# Altium PCB ATM1099C-0627-ssy-5.PcbDoc (part 2 of 4)
Units mm, origin at the board's own origin, x right, y up, seen from the top; angles counter-clockwise.
Board outline 134 x 90 mm, 4 copper layers (TOP, GND, POWER, BOTTOM), stack 1.562 mm thick; 290 components, 303 nets, 1209 pads, 571 vias.
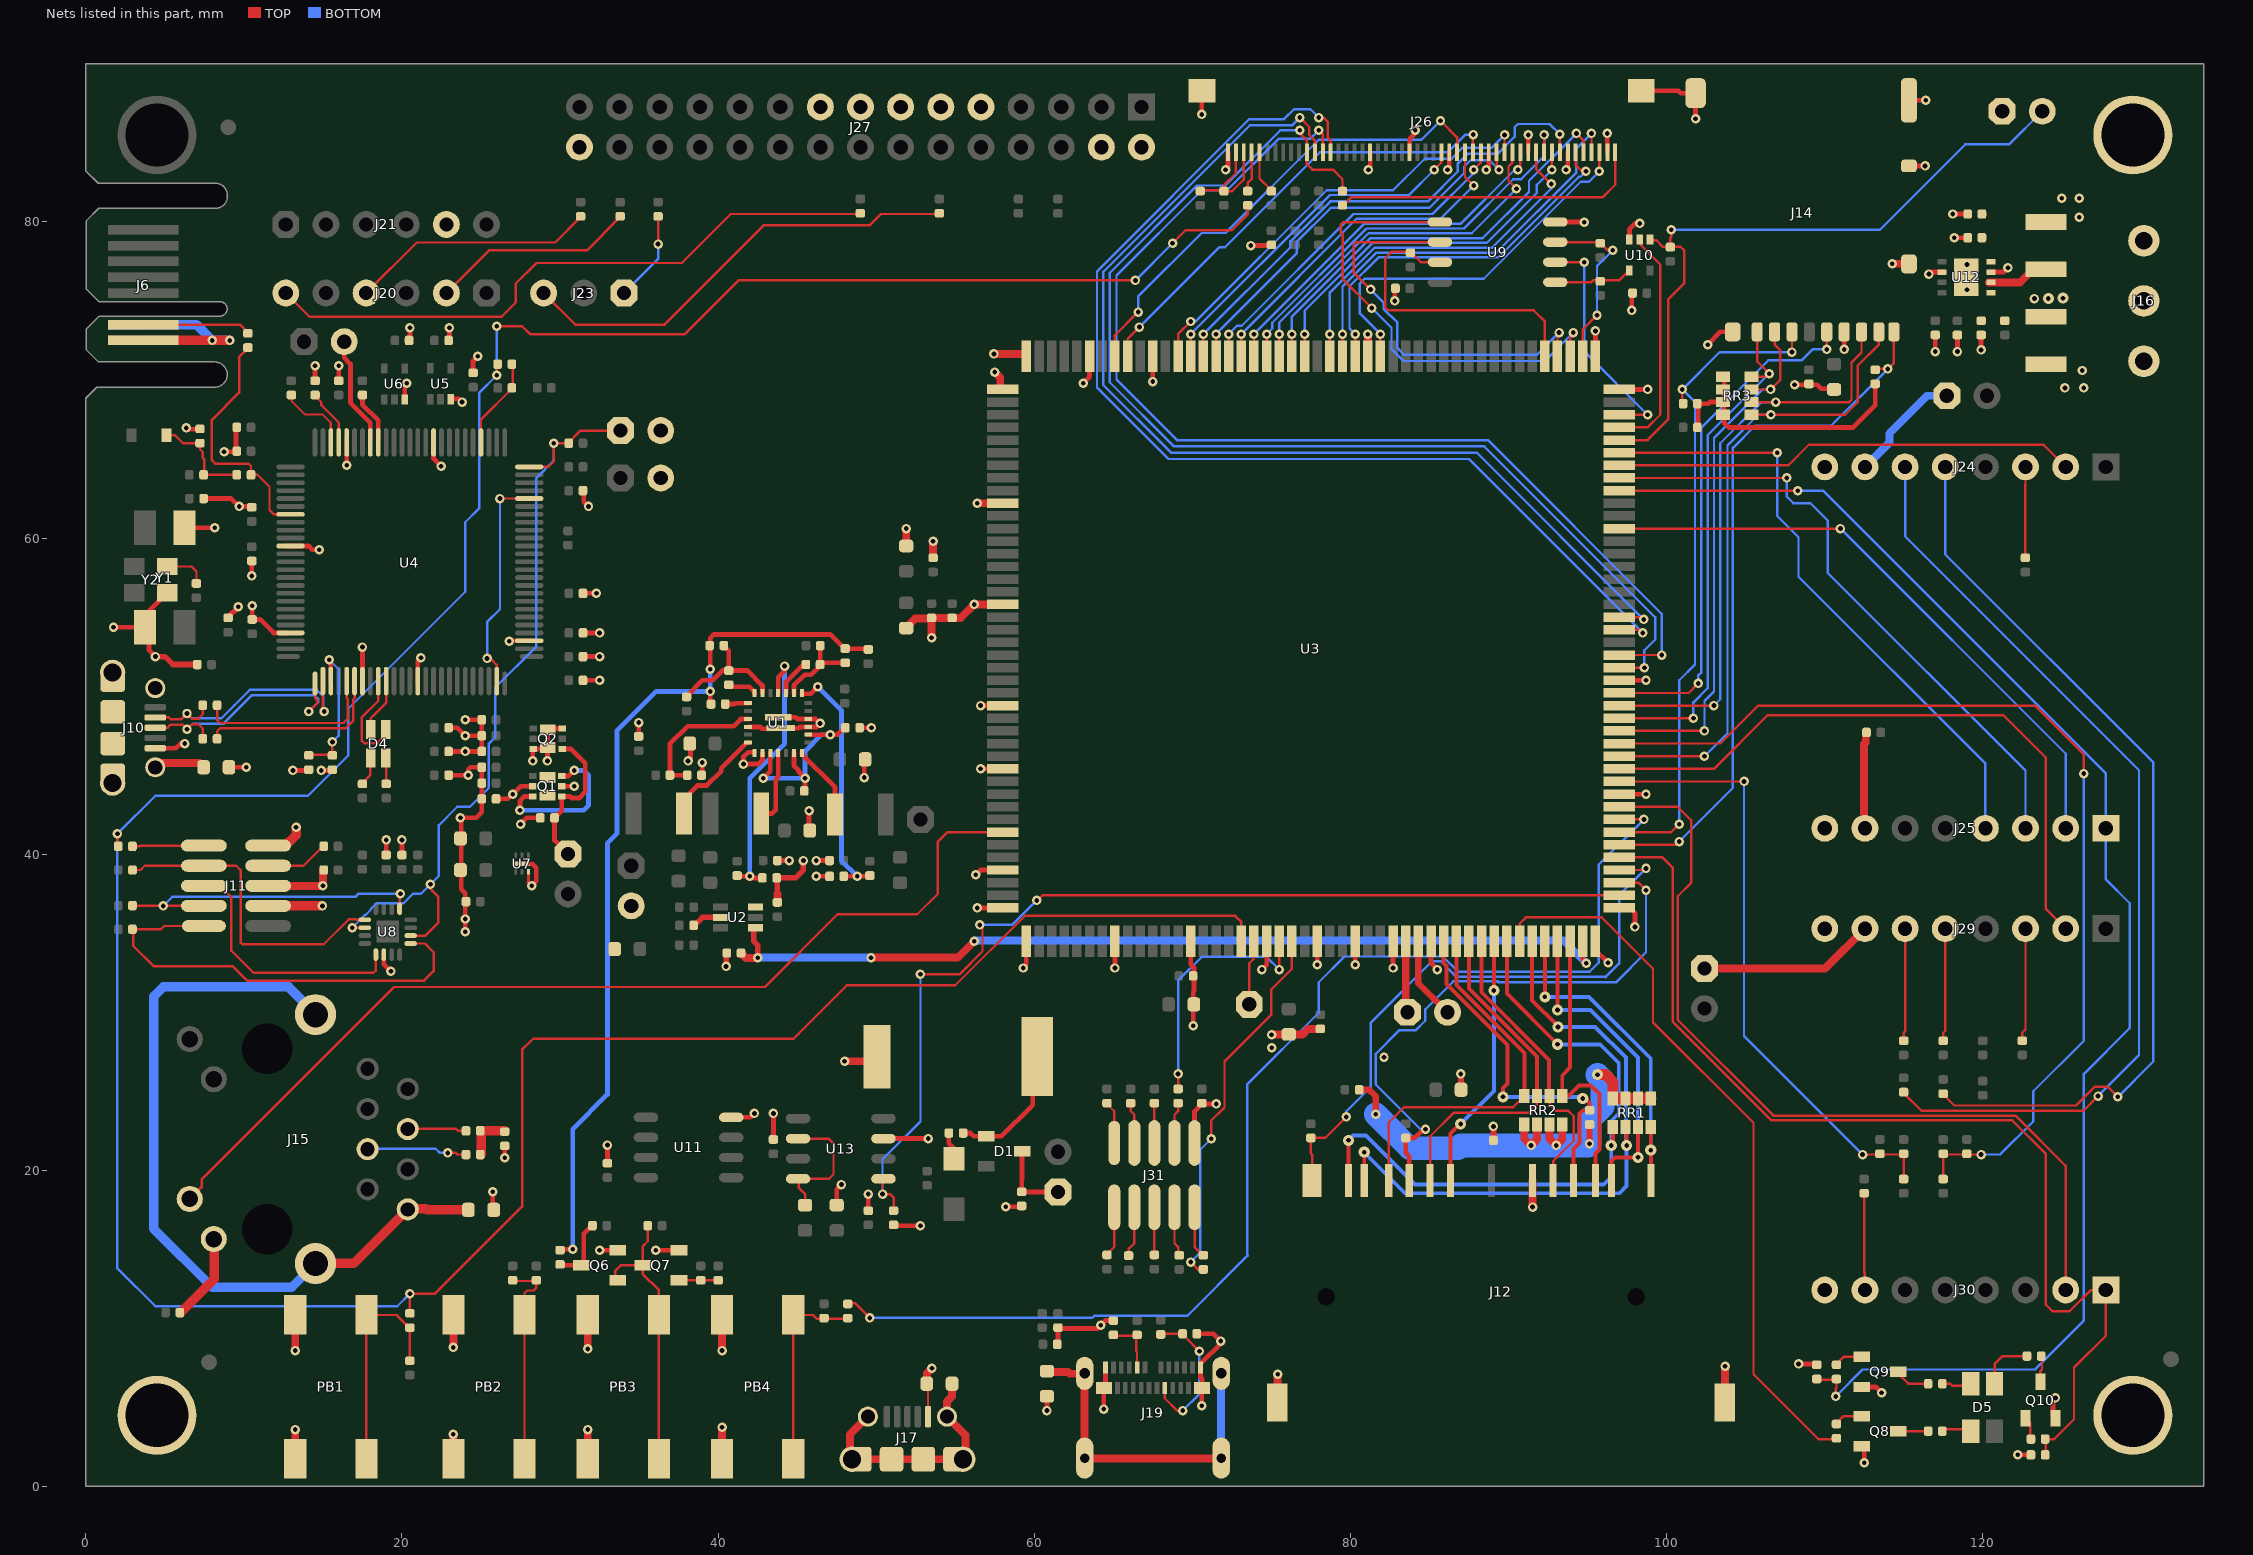
[diagram p4: the nets of this part, all layers, seen from the top]

## Via types
v1: diameter 0.6, hole 0.3, TOP to BOTTOM, tented both sides, 554 vias
v2: diameter 0.7, hole 0.3, TOP to BOTTOM, tented both sides, 17 vias

## Nets (pads, with @x,y where several pads share a name; then routed paths per layer and width w, separated by ;. In a path a pad name is that pad's centre, name@x,y a point inside that pad or via, vN(x,y) a via of type N, cw(c..) or ccw(c..) an arc to the next point about the centre after c; other vN are vias at no path point) (continued)
3U_PA26: J7.1 R32.2 U4.25 U8.2 U8.10 | length 50.5
  TOP w0.152: v1(16.85,35.35) U8.2@17.65,35.35 U8.2@17.7,35.35 ; U8.10@20.5,34.85 U8.10@20.55,34.85 21.482,34.85 22.3,35.668 22.3,37.3 21.8,37.8 v1(21.8,38.1) ; U4.25@28.3,64.5 29.253,64.5 29.6,64.847 v1(29.6,66) 30.5,66 31.3,66.8 J7.1@33.83,66.8
  BOTTOM w0.152: v1(16.85,35.35) 17.671,36.171 17.719,36.171 18.029,36.481 18.029,36.529 18.4,36.9 20.1,36.9 20.7,37.5 21.2,37.5 v1(21.8,38.1) 22.324,38.624 22.324,41.824 23.5,43 24.3,43 25.5,44.2 25.5,47 25.9,47.4 25.9,50.538 28.5,53.138 28.5,63.8 29.6,64.9 v1(29.6,66)
COMPN: R118.1 U3.64 | length 24
  TOP w0.152: v1(69.9,14.2) 70.4,13.7 R118.1@70.696,13.7 ; v1(71.2,22) 71.2,23.147 72.035,23.982 72.035,26.885 75,29.85 75,31.452 76.3,32.752 U3.64@76.3,34.5
  BOTTOM w0.152: v1(69.9,14.2) 70.5,14.8 70.5,21.3 v1(71.2,22)
COMPP: R117.2 U3.63 | length 16
  TOP w0.152: R117.2@69.1,25.2 v1(69.1,26.1) ; v1(75.5,32.7) U3.63@75.5,34.5
  BOTTOM w0.152: v1(69.1,26.1) 69.1,32 70.6,33.5 74.7,33.5 v1(75.5,32.7)
CS_QSPI1: R60.2 U9.1 U10.4 | length 5.7
  TOP w0.152: U9.1@92.29,76.174 93.19,76.174 95.221,76.174 95.347,76.3 97,76.3 U10.4@97.65,76.95
DHSD_N: R40.2 U4.80 | length 11.8
  TOP w0.155: R40.2@8.325,49.475 8.325,48.475 8.5,48.3 16.3,48.3 16.573,48.573 16.573,49.793 16.5,49.867 U4.80@16.5,50.95
DHSD_P: R41.2 U4.81 | length 11.9
  TOP w0.155: R41.2@8.3,47.3 8.3,47.775 8.49,47.965 16.439,47.965 16.909,48.435 16.909,49.775 17,49.867 U4.81@17,50.95
DISABLE_BOOT: J13.2 R59.2 U3.126 U10.1 | length 44.9
  TOP w0.152: U3.126@97,66.2 98.8,66.2 100.1,67.5 100.1,75.1 101.125,76.125 101.125,78.191 100.896,78.419 100.244,78.419 R59.2@100.236,78.412 99.786,78.412 99.348,78.85 U10.1@98.95,78.85 ; R59.2@100.236,78.412 100.236,79.003 100.3,79.067 v1(100.3,79.5)
  BOTTOM w0.152: v1(100.3,79.5) 113.5,79.5 118.9,84.9 121.67,84.9 J13.2@123.77,87
EARTH0: J10.0 L9.1 | length 4.1
  TOP w0.5: J10.0@1.7,44.35 J10.0@1.7,44.495 J10.0@1.7,44.99 ; J10.0@1.7,51.505 J10.0@1.7,51.65 ; J10.0@4.392,45.498 4.669,45.775 7.2,45.775 7.475,45.5 L9.1@7.5,45.5
EARTH_ETH: J15.8 J15.13 J15.14 L10.1 | length 49.5
  TOP w0.6: J15.14@14.55,14.125 16.96,14.125 J15.8@20.365,17.53 20.39,17.555 21.517,17.555 21.572,17.5 L10.1@24.2,17.5 L10.1@24.25,17.5
  BOTTOM w0.6: J15.14@14.55,14.125 J15.14@14.525,14.1 13.025,12.6 8,12.6 4.3,16.3 4.3,31 4.9,31.6 12.825,31.6 J15.13@14.55,29.875
EARTH_USB_A: J17.0 L11.2 | length 16.3
  TOP w0.5: J17.0@49.775,4.724 48.35,3.299 48.35,1.724 J17.0@48.471,1.724 J17.0@48.966,1.724 J17.0@50.973,1.724 J17.0@52.979,1.724 J17.0@54.986,1.724 J17.0@55.481,1.724 55.65,1.724 55.65,3.244 J17.0@54.478,4.417 54.478,5.378 54.8,5.7 L11.2@54.8,6.5
EARTH_USB_B: J19.25 J19.26 J19.27 J19.28 L13.2 | length 21.8
  TOP w0.5: L13.2@60.8,7.25 62.133,7.25 62.253,7.13 63.18,7.13 63.18,1.77 J19.27@71.82,1.77
  BOTTOM w0.5: J19.27@71.82,1.77 J19.26@71.82,7.13
ENSPI: U4.21 U4.99 | length 14.7
  TOP w0.152: v1(25.382,52.384) 25.591,52.384 26,51.975 U4.99@26,50.95 U4.99@26,50.7 ; v1(26.2,62.5) U4.21@28.05,62.5 U4.21@28.3,62.5
  BOTTOM w0.152: v1@25.382,52.318 v1(25.382,52.384) 25.382,54.682 26.2,55.5 v1(26.2,62.5)
ETH_LED0: J15.11 U3.36 | length 63.2
  TOP w0.152: J15.11@6.6,18.215 7.327,18.942 7.327,19.427 19.5,31.6 42.958,31.6 47.557,36.2 52.6,36.2 53.9,37.5 53.9,40.8 54.5,41.4 U3.36@58,41.4
FLEXCOM3_IO0_MOSI: J20.4 R86.2 | length 15.6
  TOP w0.152: J20.4@17.73,75.5 20.93,78.7 29.7,78.7 R86.2@31.3,80.3
FLEXCOM3_IO1_MISO: J20.2 R84.2 | length 13
  TOP w0.152: J20.2@22.81,75.5 25.51,78.2 31.7,78.2 R84.2@33.8,80.3
FLEXCOM3_IO2_SPCK: J23.1 R82.2 | length 5.7
  TOP w0.152: v1(36.2,78.6) R82.2@36.2,80.3
  BOTTOM w0.152: J23.1@34.04,75.5 36.2,77.66 v1(36.2,78.6)
FLEXCOM3_IO3_NPCS0: J20.6 R87.2 | length 40.4
  TOP w0.152: J20.6@12.65,75.5 14.15,74 26.3,74 27.2,74.9 27.2,76.1 28.5,77.4 37.7,77.4 40.8,80.5 R87.2@49,80.5
FLEXCOM3_IO4_NPCS1: J23.3 R88.2 | length 28.8
  TOP w0.152: J23.3@28.96,75.5 30.96,73.5 36.6,73.5 42.9,79.8 49.6,79.8 50.3,80.5 R88.2@54,80.5
GND_ETH: C63.2 C64.2 R64.2 | length 3
  TOP w0.6: C63.2@25,21 25,22.5 R64.2@26.5,22.5
GND_POWER: C1.2 C2.2 C3.2 C4.2 C5.2 C6.2 C7.2 C8.2 C9.2 C10.2 C12.2 C13.2 C14.2 C15.2 C16.2 C17.2 C18.2 C19.2 C20.2 C21.2 C22.2 C23.2 C24.2 C25.1 C26.2 C27.2 C28.2 C29.2 C30.2 C31.2 C32.2 C33.2 C34.2 C35.2 C36.2 C37.2 C38.2 C39.2 C40.2 C41.2 C42.2 C43.2 C44.2 C45.2 C46.2 C47.2 C48.2 C49.2 C50.2 C51.2 C52.2 C53.2 C54.2 C55.2 C56.2 C57.2 C58.2 C59.2 C60.2 C61.2 C62.2 C65.2 C66.2 C67.2 C68.2 C69.2 C70.2 C71.2 J6.2 J6.3 J7.2 J9.2 J10.5 J11.3 J11.5 J11.9 J12.3 J12.15 J12.16 J13.1 J14.G1 J14.G2 J14.G3 J14.G5 J14.G6 J14.P6 J16.1 J17.5 J19.A1 J19.A12 J19.B1 J19.B12 J21.5 J24.8 J25.8 J26.2 J26.7 J26.12 J26.17 J26.22 J26.27 J26.32 J26.50 J26.MNT J27.2 J27.4 J27.9 J27.11 J27.13 J27.15 J27.17 J27.30 J29.8 J30.8 J31.10 L9.2 L10.2 L11.1 L13.1 MH1.1 MH3.1 MH4.1 PB1.3 PB1.4 PB2.3 PB2.4 PB3.1 PB3.2 PB4.3 PB4.4 Q6.2 Q7.2 Q8.2 Q9.2 Q10.2 R1.2 R3.1 R5.2 R8.2 R9.2 R12.2 R14.2 R26.1 R28.2 R37.1 R64.1 R68.2 R71.2 R77.2 R120.2 R133.2 R137.2 U1.1 U1.2 U1.10 U1.11 U1.24 U2.3 U3.1 U3.10 U3.18 U3.26 U3.31 U3.39 U3.42 U3.43 U3.50 U3.56 U3.62 U3.66 U3.69 U3.72 U3.75 U3.88 U3.89 U3.98 U3.107 U3.130 U3.131 U3.149 U3.166 U3.171 U3.176 U4.3 U4.35 U4.46 U4.61 U4.72 U4.82 U4.89 U5.3 U6.3 U7.3 U7.7 U8.6 U9.4 U10.3 U11.4 U12.2 U12.9 U13.3 Y1.2 Y1.4 Y2.2 | length 290.1
  TOP w0.152: L11.1@53.2,6.5 53.25,6.5 53.276,6.474 J17.5@53.276,4.417 ; C24.2@78.1,28.95 78.114,28.936 78.136,28.936 C24.2@78.125,28.925
  TOP w0.2: v1@28,38.2 U7.3@28,38.875
  TOP w0.25: v1@28,38.2 v1@28.2,38
  TOP w0.3: v1(1.75,54.35) Y1.4@3.75,54.35 ; J10.5@4.375,46.7 5.694,46.7 5.994,47 v1(6.25,47) ; v1(4.4,52.5) 4,52.9 4,54.1 Y1.4@3.75,54.35 ; Y2.2@5.175,56.575 Y2.2@5.15,56.55 3.75,55.15 Y1.4@3.75,54.35 ; Y1.2@6.25,60.65 v1(8.15,60.65) ; v1(6.358,66.964) v1@6.434,66.888 ; v1@6.42,66.888 v1@6.434,66.888 ; C26.2@7.221,66.888 v1@6.434,66.888 ; C71.2@7.5,62.5 9.2,62.5 v1(9.7,62) C41.2@10.5,62 ; v1(8.745,65.465) 9.465,65.465 9.5,65.5 C39.2@9.5,67 ; L9.2@9,45.5 L9.2@9.05,45.5 v1(10.15,45.5) ; v1(10.5,57.6) C32.2@10.5,58.5 ; v1(10.525,55.725) 10.525,55.075 C45.2@10.75,54.85 ; C45.2@10.7,54.85 C45.2@10.75,54.85 ; U4.72@12.7,54 11.875,54 11.025,54.85 C45.2@10.75,54.85 ; U4.61@12.7,59.5 U4.61@12.95,59.5 14.1,59.5 14.332,59.268 v1(14.765,59.268) ; v1(13.1,45.3) R37.1@14.1,45.3 ; C25.1@14.5,70 v1(14.5,70.9) ; v1(14.9,45.3) C27.2@15.6,45.3 ; C36.2@16,70 v1(16,70.9) ; v1(16.5,64.6) U4.46@16.5,66.05 U4.46@16.5,66.3 ; U4.82@17.5,50.7 U4.82@17.5,50.95 v1(17.5,53.1) ; U8.6@18.85,33.7 U8.6@18.85,33.65 18.85,33.05 v1(19.3,32.6) ; C48.2@19,40 v1(19,40.9) ; C33.2@20,40 v1(20,40.9) ; U6.3@20.175,68.77 20.175,69.675 v1(20.3,69.8) ; C47.2@20.5,72.5 v1(20.5,73.3) ; U4.89@21,50.7 U4.89@21,50.95 21,52.225 v1(21.2,52.425) ; U4.35@22,66.3 U4.35@22,66.05 22,65.025 v1(22.475,64.55) ; C38.2@23,45 v1(24.2,45) 24.2,45.359 24.341,45.5 25.052,45.5 25.052,42.652 24.7,42.3 v1(23.7,42.3) 23.75,42.25 23.75,37.777 24,37.527 v1(24,35.9) v1(24,35.1) ; C40.2@23,46.5 v1(24,46.5) 25.052,46.5 C9.2@25.052,47.5 ; C37.2@23,48 23.5,48 v1(24,47.5) C9.2@25.05,47.5 C9.2@25.052,47.5 ; C46.2@23,72.5 v1(23,73.3) ; U5.3@23.09,68.813 23.587,68.813 v1(23.8,68.6) ; v1(24,48.5) 25.052,48.5 C9.2@25.052,47.5 ; C42.2@24.5,70.5 24.5,71.2 v1(24.8,71.5) ; L10.2@25.75,17.5 v1(25.75,18.65) ; v1(26.5,20.8) R64.1@26.5,21.5 ; v1(26.779,53.476) 26.803,53.5 U4.3@28.05,53.5 U4.3@28.3,53.5 ; v1(27.5,41.9) 27.9,42.3 C1.2@28.7,42.3 ; U7.7@27.6,39.4 28.247,39.4 28.5,39.147 28.5,38.3 28.2,38 v1(28.202,38) ; C30.2@31.5,51 v1(32.5,51) ; C31.2@31.5,52.5 v1(32.5,52.5) ; C34.2@31.5,54 v1(32.5,54) ; C44.2@31.5,56.5 v1(32.3,56.5) ; C35.2@31.5,63 31.5,62.3 v1(31.8,62) ; v1(32.5,14.95) Q6.2@33.5,14.95 ; C58.2@33,20.5 v1(33,21.6) ; C6.2@34.975,47.45 v1(34.975,48.325) ; v1(36.05,14.95) Q7.2@37.525,14.95 ; v1(38.1,45.9) 38.25,46.05 C3.2@38.25,47 ; R5.2@39,45 v1(39,45.8) ; U11.4@40.833,23.352 42.052,23.352 v1(42.3,23.6) ; U1.24@41.95,48.05 42.653,48.05 42.773,47.93 43.387,47.93 43.432,47.975 44.569,47.975 44.614,47.93 44.767,47.93 44.812,47.975 45.1,47.975 45.175,48.05 46.225,48.05 v1(46.45,48.275) 46.175,48.55 45.022,48.55 44.912,48.66 U1.11@43.8,48.66 ; U1.1@42.3,46.45 41.898,46.45 41.6,46.152 v1(41.6,45.7) 42.55,45.7 42.8,45.95 U1.2@42.8,46.41 ; C68.2@43.5,22 v1(43.5,23.6) ; C8.2@43.8,39.6 v1(44.5,39.6) ; C5.2@45.75,41.5 v1(45.75,42.75) ; v1(46.2,38.6) R14.2@47,38.6 ; v1(46.2,39.6) C10.2@47,39.6 ; C67.2@47.5,17.75 C67.2@47.5,17.8 47.5,18.8 v1(47.8,19.1) ; C7.2@49,48 v1(49.7,48) ; v1(49.25,44.85) C2.2@49.25,46 ; C66.2@49.5,17.5 v1(49.5,18.5) ; U13.3@50.46,22.008 v1(53.292,22.008) ; R77.2@51.1,16.5 v1(52.8,16.5) ; v1(56.3,38.7) 56.6,39 U3.39@58,39 ; v1(56.4,36.6) U3.42@58,36.6 ; v1(56.6,45.4) U3.31@58,45.4 ; v1(56.6,49.4) U3.26@58,49.4 ; v1(58.2,17.7) C13.2@59.2,17.7 ; v1(59.3,32.8) 59.5,33 U3.43@59.5,34.5 ; v1(60.8,4.8) L13.1@60.8,5.7 L13.1@60.8,5.75 ; C65.2@61.5,9 61.5,10 64,10 v1(64.2,10.2) 64.5,10.5 C70.2@65,10.5 ; v1(63.1,69.8) 63.5,70.2 U3.171@63.5,71.5 ; v1(64.4,4.9) 64.4,6.24 64.5,6.34 J19.A1@64.5,7.54 ; v1(65.1,32.8) U3.50@65.1,34.5 ; v1(67.5,69.9) U3.166@67.5,71.5 ; U3.56@69.9,34.5 69.9,33.027 70.1,32.827 70.1,31.327 70.05,31.277 v1(70.05,29.15) ; J31.10@70.14,21.735 70.14,23.74 70.6,24.2 v1(71.509,24.2) ; C69.2@70.282,9.661 71.339,9.661 v1(71.8,9.2) 71.8,9.04 70.51,7.75 J19.A12@70.51,7.54 70.51,6.915 70.625,6.8 70.625,6.265 70.6,6.24 v1(70.6,5.1) ; v1(70.6,86.8) J26.MNT@70.6,88.3 ; v1(72.1,83.3) 72.25,83.45 J26.50@72.25,84.4 ; v1(73.7,78.5) R28.2@75,78.5 ; v1(74.4,32.7) 74.7,33 U3.62@74.7,34.5 ; v1(77.9,33) U3.66@77.9,34.5 ; v1(80.3,33) U3.69@80.3,34.5 ; v1(81.143,83.3) 81.25,83.407 J26.32@81.25,84.4 ; v1(82.7,32.8) U3.72@82.7,34.5 ; v1(82.8,75) C52.2@82.8,75.8 ; J26.27@83.752,84.4 83.75,85.25 84.1,85.6 v1(84.1,85.8) ; U3.75@85.1,34.5 85.1,33.1 v1(85.5,32.7) ; v1(86.143,83.3) 86.25,83.407 J26.22@86.25,84.4 ; v1(88.6,83.3) 88.75,83.45 J26.17@88.75,84.4 ; J26.12@91.25,84.4 v1(91.25,85.5) ; U9.4@92.964,79.994 v1@94.8,79.994 ; v1(93.643,83.3) 93.75,83.407 J26.7@93.752,84.4 ; U3.88@95.5,34.5 95.5,33.925 v1(96.3,33.125) ; U3.131@95.5,71.5 v1(95.5,73.1) ; J26.2@96.25,84.4 v1(96.25,85.6) ; U3.89@97,36.6 97.7,36.6 98,36.3 v1(98,35.4) ; U3.98@97,43.8 v1(98.7,43.8) ; U3.107@97,51 v1(98.7,51) ; U3.130@97,69.4 v1(98.8,69.4) ; U10.3@97.65,78.85 97.65,79.527 98.023,79.9 v1(98.3,79.9) ; v1(97.8,74.4) C55.2@97.8,75.5 ; J26.MNT@98.4,88.3 100.751,88.3 100.907,88.144 J14.G3@101.834,88.144 v1(101.834,86.534) ; v1(102.6,72.237) 103.407,73.044 J14.G6@104.184,73.044 ; v1(108.1,69.7) 109.527,69.7 109.777,69.45 C56.2@110.6,69.45 ; v1(108.35,7.75) R137.2@109.5,7.75 ; v1(111.234,71.934) J14.P6@111.234,73.044 ; v1(112.5,1.5) Q8.2@112.5,2.55 ; Q9.2@112.5,6.3 113.227,6.3 v1(113.6,5.927) ; J14.G5@115.334,83.544 v1(116.356,83.544) ; J14.G2@115.334,87.694 v1(116.394,87.694) ; v1(116.6,76.7) 116.725,76.825 U12.2@117.425,76.825 U12.2@117.6,76.825 ; v1(117,71.8) C59.2@117,72.8 ; v1(118.1,80.5) C60.2@119,80.5 ; v1(118.2,79) R68.2@119,79 ; v1(118.4,71.8) C62.2@118.4,72.8 ; v1(119.9,71.9) C61.2@119.9,72.8 ; v1(122.225,2) R133.2@123,2 ; Q10.2@124.45,4.5 124.45,5.45 v1(124.6,5.6)
  TOP w0.35: v1(4.4,52.5) 5.002,52.5 5.502,52 C29.2@7.05,52 ; C28.2@9,55 v1(9.646,55.646) ; v1(40.5,32.9) R26.1@40.5,33.75 ; 43.75,37.475 43.75,38.5 44.902,38.5 45.4,38.998 v1(45.4,39.6)
  TOP w0.4: v1(86.975,26.1) 87,26.075 C53.2@87,25.1 ; C54.2@89.05,21.9 89.075,21.925 89.075,22.144 89.05,22.169 v1(89.05,22.775)
  TOP w0.5: J11.5@11.535,38 v1(15,38) R120.2@15,39 ; PB1.4@13.25,1.75 v1(13.25,3.6) ; v1(13.25,8.6) PB1.3@13.25,10.85 ; PB2.4@23.25,1.75 v1(23.25,3.3) ; v1(23.25,8.8) PB2.3@23.25,10.85 ; PB3.1@31.75,1.75 v1(31.75,3.6) ; v1(31.75,8.7) PB3.2@31.75,10.85 ; PB4.4@40.25,1.75 v1(40.25,3.75) ; v1(40.25,8.6) PB4.3@40.25,10.85 ; C15.2@43.75,36.95 43.75,37.475 ; v1(48,26.9) C14.2@49.75,26.9 ; C16.2@51.9,54.35 52.45,54.9 C17.2@53.5,54.9 ; C21.2@51.9,59.45 C21.2@51.9,59.5 v1(51.9,60.6) ; L11.1@53.2,6.5 53.2,7.15 v1(53.525,7.475) ; v1(53.5,53.7) C17.2@53.5,54.9 ; C17.2@53.5,54.95 C17.2@53.5,54.9 ; C22.2@53.6,58.8 v1(53.6,59.8) ; v1(56.4,62.2) U3.10@58,62.2 ; v1(57.45,71.65) 59.35,71.65 U3.176@59.5,71.5 ; v1(57.5,70.5) 57.85,70.15 57.85,69.55 U3.1@58,69.4 ; U3.18@58,55.8 v1(56.2,55.8) 55.35,54.95 C18.2@54.8,54.95 53.55,54.95 C17.2@53.5,54.9 ; v1(75.014,28.584) 76.084,28.584 C23.2@76.1,28.6 76.975,28.6 77.325,28.95 C24.2@78.1,28.95 ; J12.15@75.375,5.3 75.4,5.325 v1(75.4,7.1) ; U3.149@81.1,71.5 v1(81.1,72.9) ; v1(91.525,17.675) J12.3@91.525,19.35 ; J12.16@103.675,5.3 103.7,5.325 v1(103.7,7.6) ; v1(114.275,77.35) 115.328,77.35 J14.G1@115.334,77.344
  TOP w0.6: J6.2@3.625,72.5 v1(8,72.5) v1(9.1,72.5) ; J11.3@11.535,36.73 v1(14.97,36.73) ; J11.9@11.535,40.54 12.64,40.54 13.3,41.2 v1(13.3,41.7)
  BOTTOM w0.152: v1(24,35.1) v1(24,35.9)
  BOTTOM w0.6: J6.3@3.625,73.5 7,73.5 v1(8,72.5) v1(9.1,72.5)
  other v1: 82.125,27.15 75.025,27.75 119,75.7 119,77.3 94.8,79.984
HSIC_DATA: J18.2 U3.74 | length 5.9
  TOP w0.4: U3.74@84.3,34.5 84.3,31.845 J18.2@86.145,30 J18.2@86.77,30
HSIC_STRB: J18.1 U3.73 | length 4.5
  TOP w0.5: U3.73@83.5,34.5 83.5,30.105 J18.1@83.605,30
J10_USB_N: J10.2 pad.SQH@6.4,48.9 pad.SQH@15.075,49.025 R40.1 U4.77 | length 16.6
  TOP w0.155: J10.2@4.392,48.65 5.249,48.65 5.371,48.528 6.028,48.528 pad.SQH@6.4,48.9 6.741,48.559 7.107,48.559 7.4,48.851 R40.1@7.4,49.425 ; U4.77@15,50.95 15,49.1 pad.SQH@15.075,49.025
  BOTTOM w0.155: pad.SQH@6.4,48.9 6.7,48.6 8.576,48.6 9.4,49.425 10.379,50.403 14.598,50.403 15.025,49.976 15.025,49.132 pad.SQH@15.075,49.025
J10_USB_P: J10.3 pad.SQH@6.4,47.9 pad.SQH@14.1,49.025 R41.1 U4.76 | length 16.5
  TOP w0.155: J10.3@4.392,48 5.173,48 5.366,48.193 6.107,48.193 pad.SQH@6.4,47.9 6.724,48.224 7.125,48.224 7.4,47.949 R41.1@7.4,47.3 ; pad.SQH@14.1,49.025 14.647,49.572 14.647,49.728 14.5,49.875 U4.76@14.5,50.8
  BOTTOM w0.155: pad.SQH@6.4,47.9 6.765,48.265 8.715,48.265 9.539,49.09 10.518,50.068 14.458,50.068 14.69,49.836 14.69,49.615 pad.SQH@14.1,49.025
JTAG_TCK: J11.4 R48.2 U8.13 | length 20.8
  TOP w0.152: R48.2@3,36.75 4.21,36.75 4.23,36.73 v1(4.9,36.73) J11.4@7.465,36.73 ; U8.13@19.85,36.5 U8.13@19.85,36.55 19.85,37.454 v1(19.9,37.504)
  BOTTOM w0.152: v1(4.9,36.73) 5.47,37.3 17.05,37.3 17.254,37.504 v1(19.9,37.504)
JTAG_TDI: J11.8 R47.2 U8.1 | length 20.2
  TOP w0.152: R47.2@3,39 3.453,39 3.723,39.27 J11.8@7.468,39.27 9.513,39.27 9.791,38.992 9.791,34.409 9.9,34.3 15.052,34.3 16.631,35.879 17.068,35.879 17.097,35.85 U8.1@17.7,35.85
JTAG_TDO: J11.6 U8.5 | length 16.3
  TOP w0.152: J11.6@7.465,38 J11.6@7.468,38 8.49,38 9.2,37.29 9.2,33.9 10.6,32.5 18.198,32.5 18.35,32.652 U8.5@18.35,33.65 U8.5@18.35,33.7
JTAG_TMS: J11.2 R46.2 U8.9 | length 28.7
  TOP w0.152: J11.2@7.465,35.46 4.96,35.46 4.75,35.25 3,35.25 3,34.2 4.28,32.92 9.28,32.92 10.2,32 21.4,32 22,32.6 22,33.8 21.45,34.35 U8.9@20.55,34.35 U8.9@20.5,34.35
LCD_PWM_PC3: J26.46 R27.2 | length 2.7
  TOP w0.152: J26.46@74.25,84.4 74.25,82.75 R27.2@75,82
LED1_3U: D4.2 U4.84 | length 6.1
  TOP w0.152: U4.84@18.5,50.7 18.5,49.7 17.449,48.649 17.449,47.186 17.611,47.024 18.439,47.024 19,47.584 D4.2@19,47.875
LED2_3U: D4.3 U4.85 | length 3.2
  TOP w0.152: D4.3@18.025,47.9 18.025,48.6 18.175,48.75 19,49.575 U4.85@19,50.7
MISO_MBUS1: J24.5 R103.2 | length 58.3
  TOP w0.152: R103.2@117.5,24.8 118.2,24.1 125.9,24.1 127.1,25.3 127.9,25.3 v1(128.55,24.65)
  BOTTOM w0.152: J24.5@117.63,64.5 117.63,58.97 130.8,45.8 130.8,26.9 v1(128.55,24.65)
MISO_MBUS2: J29.5 R104.2 | length 7.1
  TOP w0.152: R104.2@117.5,28.25 117.5,28.703 117.63,28.833 J29.5@117.63,35.29
MOSI_MBUS1: J24.6 R105.2 | length 60.2
  TOP w0.152: R105.2@115,24.9 116.131,23.769 126.369,23.769 v1(127.3,24.7)
  BOTTOM w0.152: J24.6@115.09,64.5 115.09,60.11 129.89,45.31 129.89,27.29 v1(127.3,24.7)
MOSI_MBUS2: J29.6 R106.2 | length 7.1
  TOP w0.152: R106.2@115,28.25 115,28.703 115.09,28.793 J29.6@115.09,35.29
NetC1_1: C1.1 J1.1 Q1.4 Q2.4 | length 9.5
  TOP w0.3: Q2.4@30.125,46.65 30.7,46.65 31.6,45.75 31.6,43.951 31.2,43.551 30.726,43.551 30.627,43.65 30.1,43.65 30.1,42.725 30.075,42.725 C1.1@29.65,42.3 29.65,40.87 J1.1@30.5,40.02
NetC7_1: C7.1 R4.2 U1.3 U1.6 U1.9 | length 13.5
  TOP w0.3: v1(42.85,44.8) 43.3,45.25 U1.3@43.3,46.45 ; U1.6@44.8,46.45 44.8,45.6 45.092,45.308 45.092,45.208 v1(45.5,44.8) R4.2@45.5,44 ; U1.9@45.65,47.55 v1(47.1,47.55) 47.55,47.55 C7.1@48,48
  BOTTOM w0.3: v1(42.85,44.8) v1(45.5,44.8) 45.5,46.527 46.523,47.55 v1(47.1,47.55)
NetC13_1: C13.1 D1.1 J4.1 | length 4.9
  TOP w0.3: D1.1@59.1,21.2 59.225,21.075 59.225,19.452 59.2,19.427 C13.1@59.2,18.65 59.22,18.63 J4.1@61.5,18.63
NetC14_1: C14.1 D1.3 R20.2 | length 8.1
  TOP w0.3: R20.2@55.499,22.361 55.964,22.361 56.175,22.15 D1.3@56.95,22.15 57.927,22.15 59.9,24.123 C14.1@59.9,26.9
NetC25_2: C25.2 U4.47 | length 3.3
  TOP w0.152: C25.2@14.5,69 14.894,68.606 14.894,68.406 16,67.3 U4.47@16,66.3
NetC26_1: C26.1 D3.1 R34.2 R35.1 | length 6.1
  TOP w0.152: D3.1@5.4,66.5 5.65,66.5 6.15,66 7.221,66 7.221,65.616 7.395,65.442 7.395,65.074 7.5,64.969 7.5,64 R35.1@9.5,64
NetC27_1: C27.1 R37.2 U4.78 | length 9.3
  TOP w0.152: R37.2@14.1,46.3 15.6,46.3 v1(15.6,47.1)
  TOP w0.3: v1(15.4,52.3) 15.5,52.2 U4.78@15.5,50.95
  BOTTOM w0.152: v1(15.4,52.3) 16,51.7 16,47.5 v1(15.6,47.1)
NetC60_1: C60.1 R66.2 R67.1
  other v1: 125.2,69.5 126.4,69.5 126.3,70.6 126.1,80.3 125,81.5 126.1,81.5
NetC61_1: C61.1 R65.2 U12.5
NetC63_1: C63.1 J15.5 | length 6.3
  TOP w0.152: v1(22.9,21.1) 23.403,21.1 23.503,21 C63.1@24,21
  BOTTOM w0.152: J15.5@17.85,21.365 22.132,21.365 22.397,21.1 v1(22.9,21.1)
NetC64_1: C64.1 J15.4 | length 3.7
  TOP w0.152: J15.4@20.39,22.635 23.412,22.635 23.547,22.5 C64.1@24,22.5
NetC69_1: C69.1 J19.B5 R79.2 | length 9.3
  TOP w0.152: R79.2@68.025,9.525 68.161,9.661 69.339,9.661 69.525,9.475 v1(70.45,8.55) ; J19.B5@68.25,6.24 68.25,5.577 69.027,4.8 v1(69.395,4.8)
  BOTTOM w0.152: v1(69.395,4.8) 70.45,5.855 v1(70.45,8.55)
NetC70_1: C70.1 J19.A5 R78.2 | length 3.6
  TOP w0.152: C70.1@65,9.5 65.049,9.549 66.549,9.549 66.464,9.464 66.464,8.564 66.5,8.528 J19.A5@66.5,7.54
NetD2_2: D2.2 R20.1 | length 1.8
  TOP w0.3: R20.1@54.599,22.361 54.592,22.354 54.592,21.701 54.922,21.371 D2.2@54.922,20.736
NetD4_1: D4.1 R42.1 | length 1.6
  TOP w0.152: R42.1@19,44.5 D4.1@19,46.125
NetD4_4: D4.4 R43.1 | length 1.8
  TOP w0.152: R43.1@17.5,44.5 18,45 D4.4@18,46.125
NetD5_1: D5.1 R74.2 | length 1.8
  TOP w0.152: R74.2@117.5,3.5 117.625,3.625 D5.1@119.25,3.625
NetD5_3: D5.3 R76.2 | length 3.6